# KiCad board poly_kb_molecule_4x5.kicad_pcb (continued)
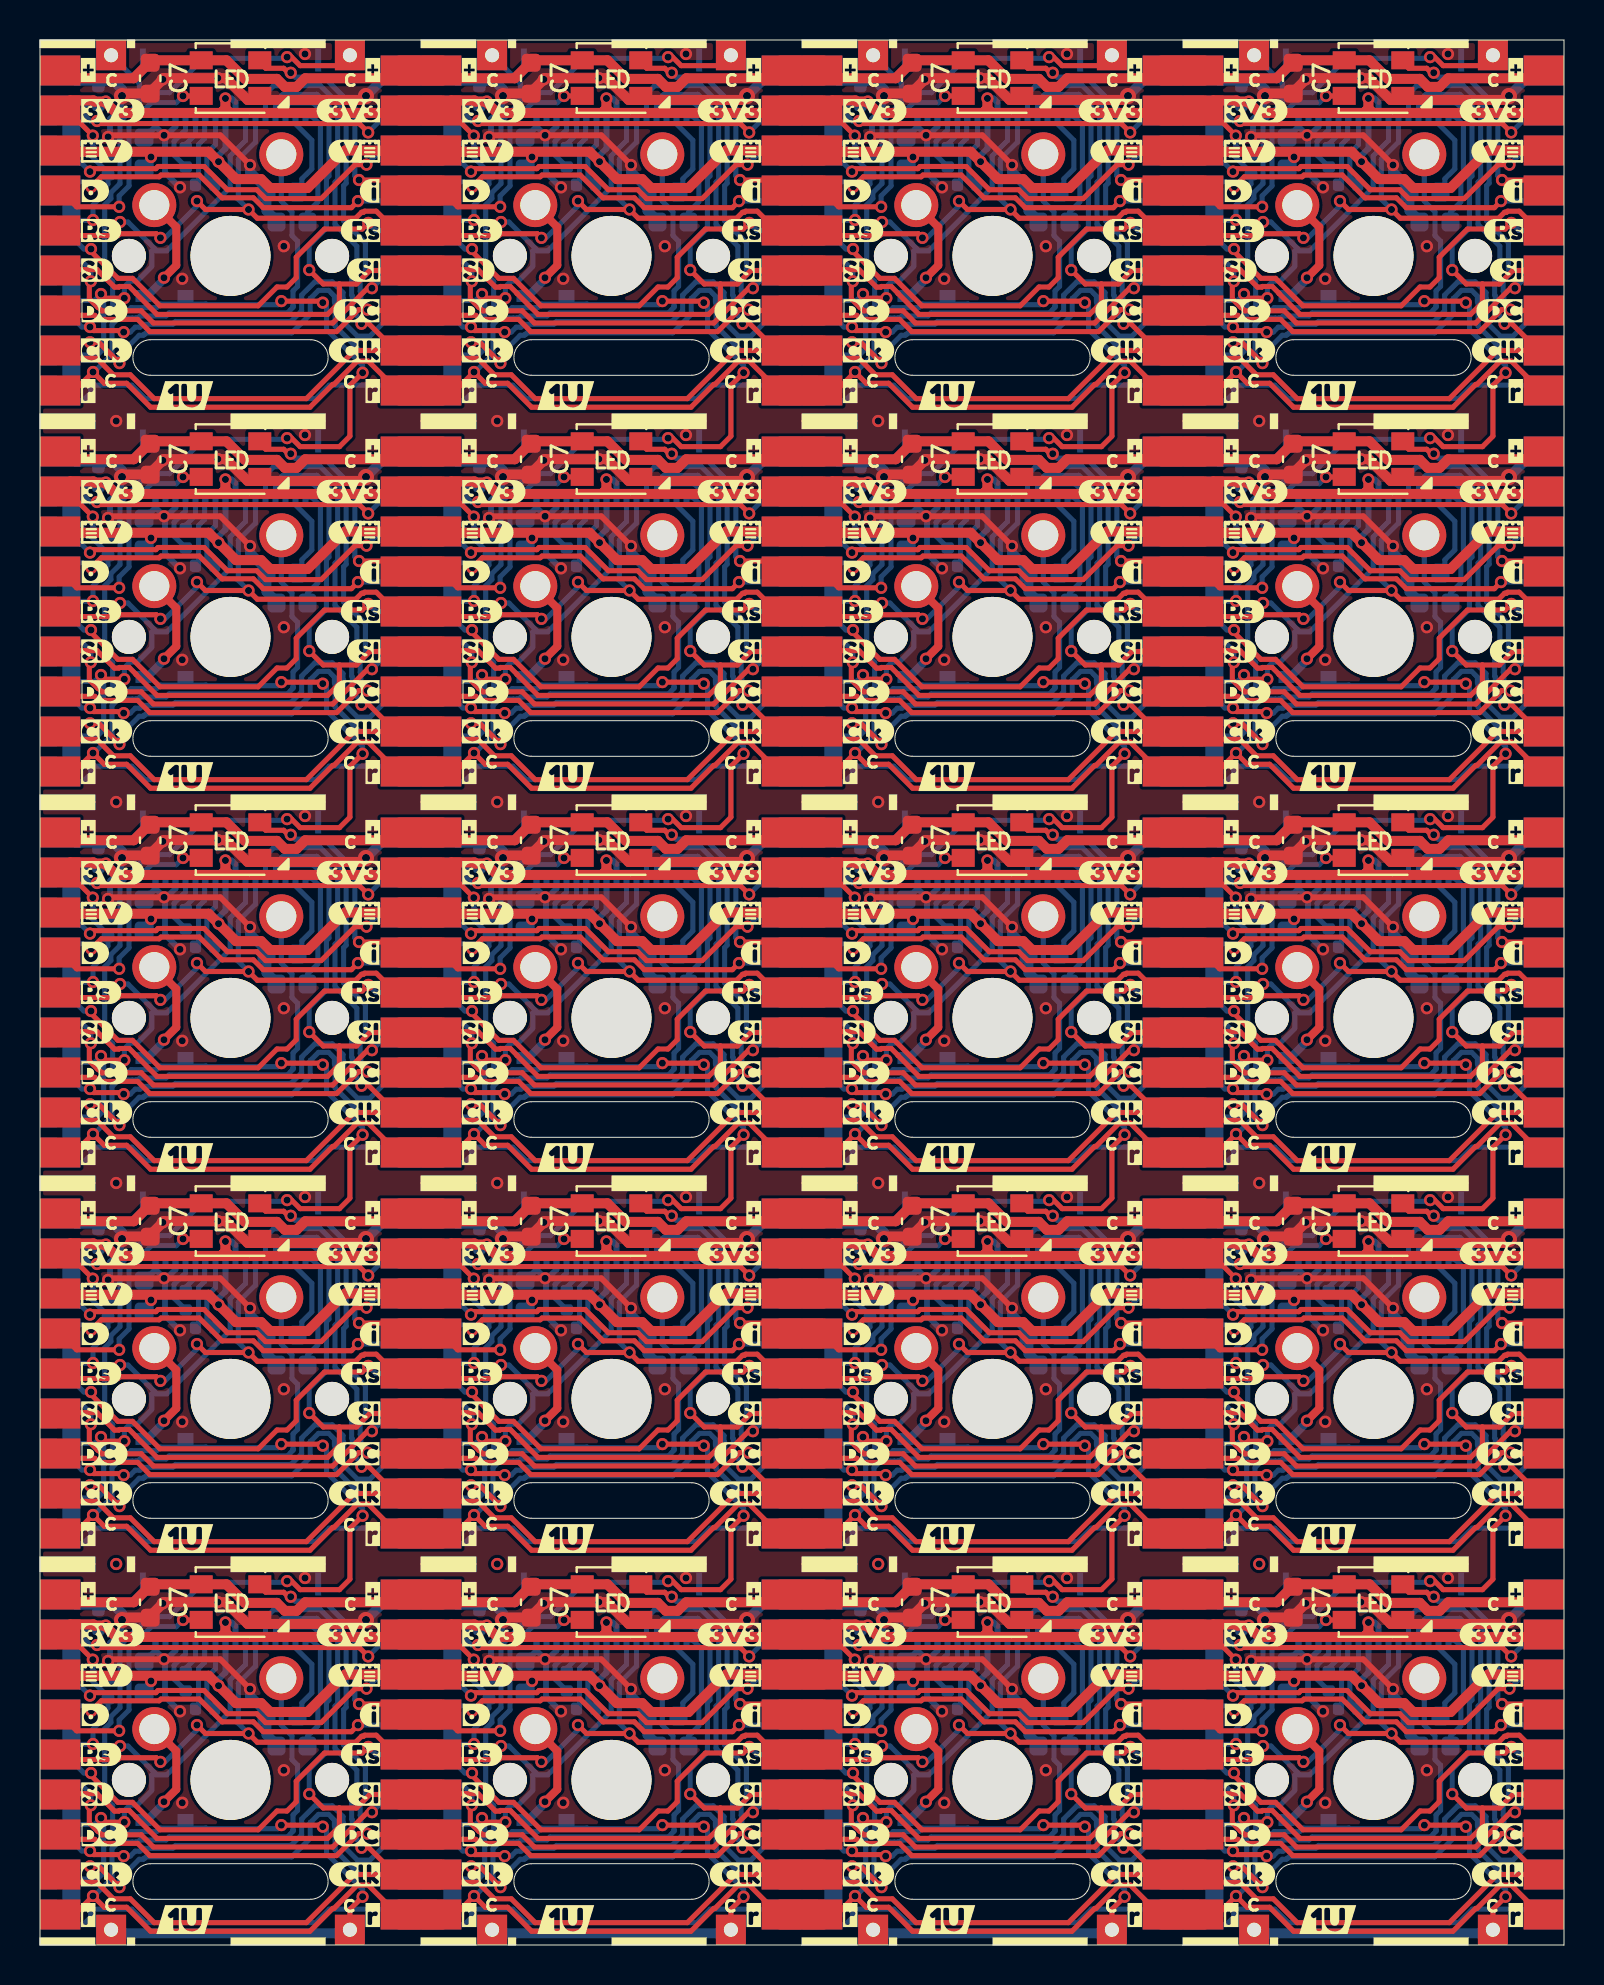
[diagram p0: board, top side]
## Routing (per net, layer and track width the routed paths; a pad name or vN(x,y) marks a point on that pad's centre or on a via; arc(x,y) is an arc through that point) (continued)
/Keyboard/sheet605ED2EB/D-C: length 709.2
  Top w0.254: 39.37,43.62 39.61,43.38 40.84,43.38 41.04,43.18 42.98,43.18 43.59,42.57 52.93,42.57 54.03,43.67 v1(54.46,43.67) 54.51,43.62 55.88,43.62 ; 39.37,24.58 39.61,24.33 40.84,24.33 41.04,24.13 42.98,24.13 43.59,23.52 52.93,23.52 54.03,24.62 v1(54.46,24.62) 54.51,24.58 55.88,24.58 ; 58.42,43.62 58.66,43.38 59.89,43.38 60.09,43.18 62.03,43.18 62.64,42.57 71.98,42.57 73.08,43.67 v1(73.51,43.67) 73.56,43.62 74.93,43.62 ; 20.32,24.58 20.56,24.33 21.79,24.33 21.99,24.13 23.93,24.13 24.54,23.52 33.88,23.52 34.98,24.62 v1(35.41,24.62) 35.46,24.58 36.83,24.58 ; 20.32,81.72 20.56,81.48 21.79,81.48 21.99,81.28 23.93,81.28 24.54,80.67 33.88,80.67 34.98,81.77 v1(35.41,81.77) 35.46,81.72 36.83,81.72 ; 74.93,62.67 73.56,62.67 v1(73.51,62.72) 73.08,62.72 71.98,61.62 62.64,61.62 62.03,62.23 60.09,62.23 59.89,62.43 58.66,62.43 58.42,62.67 ; 55.88,62.67 54.51,62.67 v1(54.46,62.72) 54.03,62.72 52.93,61.62 43.59,61.62 42.98,62.23 41.04,62.23 40.84,62.43 39.61,62.43 39.37,62.67 ; 58.42,81.72 58.66,81.48 59.89,81.48 60.09,81.28 62.03,81.28 62.64,80.67 71.98,80.67 73.08,81.77 v1(73.51,81.77) 73.56,81.72 74.93,81.72 ; 1.27,81.72 1.51,81.48 2.74,81.48 2.94,81.28 4.88,81.28 5.49,80.67 14.83,80.67 15.93,81.77 v1(16.36,81.77) 16.41,81.72 17.78,81.72 ; 17.78,24.58 16.41,24.58 v1(16.36,24.62) 15.93,24.62 14.83,23.52 5.49,23.52 4.88,24.13 2.94,24.13 2.74,24.33 1.51,24.33 1.27,24.58 ; 36.83,62.67 35.46,62.67 v1(35.41,62.72) 34.98,62.72 33.88,61.62 24.54,61.62 23.93,62.23 21.99,62.23 21.79,62.43 20.56,62.43 20.32,62.67 ; 36.83,43.62 35.46,43.62 v1(35.41,43.67) 34.98,43.67 33.88,42.57 24.54,42.57 23.93,43.18 21.99,43.18 21.79,43.38 20.56,43.38 20.32,43.62 ; 1.27,43.62 1.51,43.38 2.74,43.38 2.94,43.18 4.88,43.18 5.49,42.57 14.83,42.57 15.93,43.67 v1(16.36,43.67) 16.41,43.62 17.78,43.62 ; 74.93,5.53 73.56,5.53 v1(73.51,5.57) 73.08,5.57 71.98,4.47 62.64,4.47 62.03,5.08 60.09,5.08 59.89,5.28 58.66,5.28 58.42,5.53 ; 36.83,5.53 35.46,5.53 v1(35.41,5.57) 34.98,5.57 33.88,4.47 24.54,4.47 23.93,5.08 21.99,5.08 21.79,5.28 20.56,5.28 20.32,5.53 ; 55.88,81.72 54.51,81.72 v1(54.46,81.77) 54.03,81.77 52.93,80.67 43.59,80.67 42.98,81.28 41.04,81.28 40.84,81.48 39.61,81.48 39.37,81.72 ; 74.93,24.58 73.56,24.58 v1(73.51,24.62) 73.08,24.62 71.98,23.52 62.64,23.52 62.03,24.13 60.09,24.13 59.89,24.33 58.66,24.33 58.42,24.58 ; 55.88,5.53 54.51,5.53 v1(54.46,5.57) 54.03,5.57 52.93,4.47 43.59,4.47 42.98,5.08 41.04,5.08 40.84,5.28 39.61,5.28 39.37,5.53 ; 1.27,5.53 1.51,5.28 2.74,5.28 2.94,5.08 4.88,5.08 5.49,4.47 14.83,4.47 15.93,5.57 v1(16.36,5.57) 16.41,5.53 17.78,5.53 ; 1.27,62.67 1.51,62.43 2.74,62.43 2.94,62.23 4.88,62.23 5.49,61.62 14.83,61.62 15.93,62.72 v1(16.36,62.72) 16.41,62.67 17.78,62.67
  Top w1.5: J4#17.7 J3#9.7 ; J4#16.7 J3#7.7 ; J4#4.7 J3#14.7 ; J4#8.7 J3#18.7 ; J4#20.7 J3#19.7 ; J4#10.7 J3#5.7 ; J4#15.7 J3#17.7 ; J4#19.7 J3#20.7 ; J4#2.7 J3#13.7 ; J4#9.7 J3#3.7 ; J4#13.7 J3#12.7 ; J4.7 J3#11.7 ; J4#18.7 J3#15.7 ; J4#12.7 J3#6.7 ; J4#5.7 J3#2.7
  Bottom w0.254: v1(16.36,81.77) 16.04,82.09 16.04,82.64 16.01,82.67 16.01,83.25 16.27,83.51 16.27,85.12 15.18,86.2 15.18,87.96 15.31,88.09 15.31,91.67 15.18,91.8 15.18,91.8 14.02,92.96 11.68,92.96 11.27,92.56 J1.12 ; J1#12.12 30.33,54.45 30.73,54.86 33.07,54.86 34.23,53.7 34.23,53.7 34.36,53.57 34.36,49.99 34.23,49.86 34.23,48.1 35.32,47.02 35.32,45.41 35.06,45.15 35.06,44.57 35.09,44.54 35.09,43.99 v1(35.41,43.67) ; v1(54.46,81.77) 54.14,82.09 54.14,82.64 54.11,82.67 54.11,83.25 54.37,83.51 54.37,85.12 53.28,86.2 53.28,87.96 53.41,88.09 53.41,91.67 53.28,91.8 53.28,91.8 52.12,92.96 49.78,92.96 49.38,92.56 J1#7.12 ; J1#2.12 30.33,35.41 30.73,35.81 33.07,35.81 34.23,34.65 34.23,34.65 34.36,34.52 34.36,30.94 34.23,30.81 34.23,29.05 35.32,27.97 35.32,26.36 35.06,26.1 35.06,25.52 35.09,25.49 35.09,24.94 v1(35.41,24.62) ; v1(54.46,62.72) 54.14,63.04 54.14,63.59 54.11,63.62 54.11,64.2 54.37,64.46 54.37,66.07 53.28,67.15 53.28,68.91 53.41,69.04 53.41,72.62 53.28,72.75 53.28,72.75 52.12,73.91 49.78,73.91 49.38,73.5 J1#4.12 ; J1#20.12 11.27,73.5 11.68,73.91 14.02,73.91 15.18,72.75 15.18,72.75 15.31,72.62 15.31,69.04 15.18,68.91 15.18,67.15 16.27,66.07 16.27,64.46 16.01,64.2 16.01,63.62 16.04,63.59 16.04,63.04 v1(16.36,62.72) ; v1(35.41,62.72) 35.09,63.04 35.09,63.59 35.06,63.62 35.06,64.2 35.32,64.46 35.32,66.07 34.23,67.15 34.23,68.91 34.36,69.04 34.36,72.62 34.23,72.75 34.23,72.75 33.07,73.91 30.73,73.91 30.33,73.5 J1#16.12 ; v1(73.51,24.62) 73.19,24.94 73.19,25.49 73.16,25.52 73.16,26.1 73.42,26.36 73.42,27.97 72.33,29.05 72.33,30.81 72.46,30.94 72.46,34.52 72.33,34.65 72.33,34.65 71.17,35.81 68.83,35.81 68.42,35.41 J1#3.12 ; J1#9.12 30.33,16.35 30.73,16.76 33.07,16.76 34.23,15.6 34.23,15.6 34.36,15.47 34.36,11.89 34.23,11.76 34.23,10 35.32,8.92 35.32,7.31 35.06,7.05 35.06,6.47 35.09,6.44 35.09,5.89 v1(35.41,5.57) ; J1#17.12 68.42,73.5 68.83,73.91 71.17,73.91 72.33,72.75 72.33,72.75 72.46,72.62 72.46,69.04 72.33,68.91 72.33,67.15 73.42,66.07 73.42,64.46 73.16,64.2 73.16,63.62 73.19,63.59 73.19,63.04 v1(73.51,62.72) ; v1(73.51,81.77) 73.19,82.09 73.19,82.64 73.16,82.67 73.16,83.25 73.42,83.51 73.42,85.12 72.33,86.2 72.33,87.96 72.46,88.09 72.46,91.67 72.33,91.8 72.33,91.8 71.17,92.96 68.83,92.96 68.42,92.56 J1#10.12 ; J1#6.12 11.27,54.45 11.68,54.86 14.02,54.86 15.18,53.7 15.18,53.7 15.31,53.57 15.31,49.99 15.18,49.86 15.18,48.1 16.27,47.02 16.27,45.41 16.01,45.15 16.01,44.57 16.04,44.54 16.04,43.99 v1(16.36,43.67) ; J1#14.12 49.38,16.35 49.78,16.76 52.12,16.76 53.28,15.6 53.28,15.6 53.41,15.47 53.41,11.89 53.28,11.76 53.28,10 54.37,8.92 54.37,7.31 54.11,7.05 54.11,6.47 54.14,6.44 54.14,5.89 v1(54.46,5.57) ; J1#11.12 11.27,16.35 11.68,16.76 14.02,16.76 15.18,15.6 15.18,15.6 15.31,15.47 15.31,11.89 15.18,11.76 15.18,10 16.27,8.92 16.27,7.31 16.01,7.05 16.01,6.47 16.04,6.44 16.04,5.89 v1(16.36,5.57) ; J1#18.12 49.38,35.41 49.78,35.81 52.12,35.81 53.28,34.65 53.28,34.65 53.41,34.52 53.41,30.94 53.28,30.81 53.28,29.05 54.37,27.97 54.37,26.36 54.11,26.1 54.11,25.52 54.14,25.49 54.14,24.94 v1(54.46,24.62) ; v1(73.51,43.67) 73.19,43.99 73.19,44.54 73.16,44.57 73.16,45.15 73.42,45.41 73.42,47.02 72.33,48.1 72.33,49.86 72.46,49.99 72.46,53.57 72.33,53.7 72.33,53.7 71.17,54.86 68.83,54.86 68.42,54.45 J1#19.12 ; v1(73.51,5.57) 73.19,5.89 73.19,6.44 73.16,6.47 73.16,7.05 73.42,7.31 73.42,8.92 72.33,10 72.33,11.76 72.46,11.89 72.46,15.47 72.33,15.6 72.33,15.6 71.17,16.76 68.83,16.76 68.42,16.35 J1#15.12 ; v1(54.46,43.67) 54.14,43.99 54.14,44.54 54.11,44.57 54.11,45.15 54.37,45.41 54.37,47.02 53.28,48.1 53.28,49.86 53.41,49.99 53.41,53.57 53.28,53.7 53.28,53.7 52.12,54.86 49.78,54.86 49.38,54.45 J1#8.12 ; v1(16.36,24.62) 16.04,24.94 16.04,25.49 16.01,25.52 16.01,26.1 16.27,26.36 16.27,27.97 15.18,29.05 15.18,30.81 15.31,30.94 15.31,34.52 15.18,34.65 15.18,34.65 14.02,35.81 11.68,35.81 11.27,35.41 J1#5.12 ; v1(35.41,81.77) 35.09,82.09 35.09,82.64 35.06,82.67 35.06,83.25 35.32,83.51 35.32,85.12 34.23,86.2 34.23,87.96 34.36,88.09 34.36,91.67 34.23,91.8 34.23,91.8 33.07,92.96 30.73,92.96 30.33,92.56 J1#13.12
/Keyboard/sheet605ED2EB/KeyCol: length 884.8
  Top w0.254: v1(31.4,37.24) 31.63,37.24 32.06,36.82 34.02,36.82 34.54,37.34 34.54,39.88 v1(35.18,40.51) ; v1(71.29,24.97) 71.21,25.04 v1(69.22,25.04) ; v1(50.17,5.99) 52.16,5.99 v1(52.24,5.92) ; J9.1 72.64,1.78 v1(73.28,2.41) ; v1(73.28,40.51) 72.64,39.88 72.64,37.34 72.12,36.82 70.16,36.82 69.73,37.24 v1(69.5,37.24) ; v1(31.4,56.29) 31.63,56.29 32.06,55.87 34.02,55.87 34.54,56.39 34.54,58.93 v1(35.18,59.56) ; v1(16.13,40.51) 15.49,39.88 15.49,37.34 14.97,36.82 13.01,36.82 12.58,37.24 v1(12.35,37.24) ; v1(54.23,2.41) 53.59,1.78 J9#3.1 ; v1(52.24,63.07) 52.16,63.14 v1(50.17,63.14) ; v1(54.23,40.51) 53.59,39.88 53.59,37.34 53.07,36.82 51.11,36.82 50.68,37.24 v1(50.45,37.24) ; v1(50.45,94.39) 50.68,94.39 51.11,93.97 53.07,93.97 J2#4.1 ; v1(35.18,78.61) 34.54,77.98 34.54,75.44 34.02,74.92 32.06,74.92 31.63,75.34 v1(31.4,75.34) ; v1(31.12,44.09) 33.11,44.09 v1(33.19,44.02) ; v1(16.13,78.61) 15.49,77.98 15.49,75.44 14.97,74.92 13.01,74.92 12.58,75.34 v1(12.35,75.34) ; v1(12.35,18.19) 12.58,18.19 13.01,17.77 14.97,17.77 15.49,18.29 15.49,20.83 v1(16.13,21.46) ; v1(52.24,24.97) 52.16,25.04 v1(50.17,25.04) ; v1(71.29,44.02) 71.21,44.09 v1(69.22,44.09) ; v1(50.17,82.19) 52.16,82.19 v1(52.24,82.12) ; v1(54.23,59.56) 53.59,58.93 53.59,56.39 53.07,55.87 51.11,55.87 50.68,56.29 v1(50.45,56.29) ; v1(31.12,25.04) 33.11,25.04 v1(33.19,24.97) ; v1(54.23,78.61) 53.59,77.98 53.59,75.44 53.07,74.92 51.11,74.92 50.68,75.34 v1(50.45,75.34) ; v1(33.19,5.92) 33.11,5.99 v1(31.12,5.99) ; v1(31.4,18.19) 31.63,18.19 32.06,17.77 34.02,17.77 34.54,18.29 34.54,20.83 v1(35.18,21.46) ; J2.1 14.97,93.97 13.01,93.97 12.58,94.39 v1(12.35,94.39) ; v1(31.12,63.14) 33.11,63.14 v1(33.19,63.07) ; v1(52.24,44.02) 52.16,44.09 v1(50.17,44.09) ; v1(73.28,21.46) 72.64,20.83 72.64,18.29 72.12,17.77 70.16,17.77 69.73,18.19 v1(69.5,18.19) ; J9#4.1 34.54,1.78 v1(35.18,2.41) ; v1(69.22,82.19) 71.21,82.19 v1(71.29,82.12) ; v1(12.07,5.99) 14.06,5.99 v1(14.14,5.92) ; v1(12.35,56.29) 12.58,56.29 13.01,55.87 14.97,55.87 15.49,56.39 15.49,58.93 v1(16.13,59.56) ; v1(69.5,75.34) 69.73,75.34 70.16,74.92 72.12,74.92 72.64,75.44 72.64,77.98 v1(73.28,78.61) ; J9#2.1 15.49,1.78 v1(16.13,2.41) ; v1(54.23,21.46) 53.59,20.83 53.59,18.29 53.07,17.77 51.11,17.77 50.68,18.19 v1(50.45,18.19) ; v1(71.29,63.07) 71.21,63.14 v1(69.22,63.14) ; v1(71.29,5.92) 71.21,5.99 v1(69.22,5.99) ; v1(12.07,25.04) 14.06,25.04 v1(14.14,24.97) ; v1(12.07,63.14) 14.06,63.14 v1(14.14,63.07) ; v1(12.07,82.19) 14.06,82.19 v1(14.14,82.12) ; v1(69.5,94.39) 69.73,94.39 70.16,93.97 72.12,93.97 J2#3.1 ; v1(31.4,94.39) 31.63,94.39 32.06,93.97 34.02,93.97 J2#2.1 ; v1(69.5,56.29) 69.73,56.29 70.16,55.87 72.12,55.87 72.64,56.39 72.64,58.93 v1(73.28,59.56) ; v1(33.19,82.12) 33.11,82.19 v1(31.12,82.19) ; v1(14.14,44.02) 14.06,44.09 v1(12.07,44.09)
  Bottom w0.25: 65.49,43.91 65.45,43.95 63.16,43.95 63.12,43.91 ; 5.97,5.81 6.01,5.85 8.3,5.85 8.34,5.81 ; 63.12,62.96 63.16,63 65.45,63 65.49,62.96 ; 65.49,5.81 65.45,5.85 63.16,5.85 63.12,5.81 ; 27.39,43.91 27.35,43.95 25.06,43.95 25.02,43.91 ; 8.34,43.91 8.3,43.95 6.01,43.95 5.97,43.91 ; 25.02,24.86 25.06,24.9 27.35,24.9 27.39,24.86 ; 27.39,62.96 27.35,63 25.06,63 25.02,62.96 ; 25.02,82.01 25.06,82.05 27.35,82.05 27.39,82.01 ; 46.44,43.91 46.4,43.95 44.11,43.95 44.07,43.91 ; 5.97,82.01 6.01,82.05 8.3,82.05 8.34,82.01 ; 25.02,5.81 25.06,5.85 27.35,5.85 27.39,5.81 ; 46.44,24.86 46.4,24.9 44.11,24.9 44.07,24.86 ; 65.49,24.86 65.45,24.9 63.16,24.9 63.12,24.86 ; 5.97,24.86 6.01,24.9 8.3,24.9 8.34,24.86 ; 44.07,5.81 44.11,5.85 46.4,5.85 46.44,5.81 ; 63.12,82.01 63.16,82.05 65.45,82.05 65.49,82.01 ; 8.34,62.96 8.3,63 6.01,63 5.97,62.96 ; 46.44,82.01 46.4,82.05 44.11,82.05 44.07,82.01 ; 44.07,62.96 44.11,63 46.4,63 46.44,62.96
  Bottom w0.254: v1(14.14,24.97) 14.33,24.78 14.33,23.62 16.13,21.82 v1(16.13,21.46) ; 25.02,82.01 24.88,81.87 23.61,81.87 23.49,81.75 23.27,81.75 23.27,81.75 22.81,81.75 22.68,81.88 22.68,83.18 22.28,83.58 22.28,87.01 22.59,87.32 22.59,87.62 23.05,88.07 23.05,91.17 24.02,92.13 24.02,92.62 ; 27.39,62.96 30.94,62.96 v1(31.12,63.14) ; 62.12,92.62 62.12,93.08 61.93,93.27 61.92,93.27 J8#4.1 ; 62.12,92.62 63.62,92.62 65.34,94.34 69.44,94.34 v1(69.5,94.39) ; 62.12,92.62 62.12,92.13 61.15,91.17 61.15,88.07 60.69,87.62 60.69,87.32 60.38,87.01 60.38,83.58 60.78,83.18 60.78,81.88 60.91,81.75 61.37,81.75 61.37,81.75 61.59,81.75 61.71,81.87 62.98,81.87 63.12,82.01 ; v1(14.14,63.07) 14.33,62.88 14.33,61.72 16.13,59.92 v1(16.13,59.56) ; 46.44,62.96 49.99,62.96 v1(50.17,63.14) ; 65.49,24.86 69.04,24.86 v1(69.22,25.04) ; J8#3.1 23.82,93.27 23.83,93.27 24.02,93.08 24.02,92.62 ; v1(73.28,59.56) 73.28,59.92 71.48,61.72 71.48,62.88 v1(71.29,63.07) ; v1(12.35,56.29) 12.29,56.24 8.19,56.24 6.47,54.52 5.43,54.52 4.97,54.05 4.97,54.03 4,53.07 4,49.97 3.54,49.52 3.54,49.22 3.23,48.91 3.23,45.48 3.63,45.08 3.63,43.78 3.76,43.65 4.22,43.65 4.22,43.65 4.44,43.65 4.56,43.77 5.83,43.77 5.97,43.91 ; v1(31.12,5.99) 30.94,5.81 27.39,5.81 ; v1(31.12,82.19) 30.94,82.01 27.39,82.01 ; v1(35.18,2.41) 35.18,2.77 33.38,4.57 33.38,5.73 v1(33.19,5.92) ; v1(52.24,63.07) 52.43,62.88 52.43,61.72 54.23,59.92 v1(54.23,59.56) ; v1(31.4,94.39) 31.34,94.34 27.24,94.34 25.52,92.62 24.02,92.62 ; 44.07,43.91 43.93,43.77 42.66,43.77 42.54,43.65 42.32,43.65 42.32,43.65 41.86,43.65 41.73,43.78 41.73,45.08 41.33,45.48 41.33,48.91 41.64,49.22 41.64,49.52 42.1,49.97 42.1,53.07 43.07,54.03 43.07,54.05 43.53,54.52 44.57,54.52 46.29,56.24 50.39,56.24 v1(50.45,56.29) ; v1(31.4,56.29) 31.34,56.24 27.24,56.24 25.52,54.52 24.5,54.52 23.05,53.07 23.05,49.97 22.59,49.52 22.59,49.22 22.28,48.91 22.28,45.48 22.68,45.08 22.68,43.78 22.81,43.65 23.27,43.65 23.27,43.65 23.49,43.65 23.61,43.77 24.88,43.77 25.02,43.91 ; 5.97,5.81 5.83,5.67 4.56,5.67 4.44,5.55 4.22,5.55 4.22,5.55 3.76,5.55 3.63,5.68 3.63,6.98 3.23,7.38 3.23,10.81 3.54,11.12 3.54,11.42 4,11.87 4,14.97 4.97,15.93 4.98,15.93 5.47,16.42 6.47,16.42 8.19,18.14 12.29,18.14 v1(12.35,18.19) ; v1(50.17,82.19) 49.99,82.01 46.44,82.01 ; v1(50.45,37.24) 50.39,37.19 46.29,37.19 44.57,35.47 43.57,35.47 43.09,34.98 43.07,34.98 42.1,34.02 42.1,30.92 41.64,30.47 41.64,30.17 41.33,29.86 41.33,26.43 41.73,26.03 41.73,24.73 41.86,24.6 42.32,24.6 42.32,24.6 42.54,24.6 42.66,24.72 43.93,24.72 44.07,24.86 ; v1(12.07,44.09) 11.89,43.91 8.34,43.91 ; 44.07,62.96 43.93,62.82 42.66,62.82 42.54,62.7 42.32,62.7 42.32,62.7 41.86,62.7 41.73,62.83 41.73,64.13 41.33,64.53 41.33,67.96 41.64,68.27 41.64,68.57 42.1,69.02 42.1,72.12 43.07,73.08 43.07,73.1 43.53,73.57 44.57,73.57 46.29,75.29 50.39,75.29 v1(50.45,75.34) ; v1(31.12,25.04) 30.94,24.86 27.39,24.86 ; v1(12.07,63.14) 11.89,62.96 8.34,62.96 ; v1(54.23,21.46) 54.23,21.82 52.43,23.62 52.43,24.78 v1(52.24,24.97) ; v1(54.23,40.51) 54.23,40.87 52.43,42.67 52.43,43.83 v1(52.24,44.02) ; v1(71.29,44.02) 71.48,43.83 71.48,42.67 73.28,40.87 v1(73.28,40.51) ; v1(33.19,24.97) 33.38,24.78 33.38,23.62 35.18,21.82 v1(35.18,21.46) ; v1(16.13,78.61) 16.13,78.97 14.33,80.77 14.33,81.93 v1(14.14,82.12) ; 4.97,92.62 4.97,92.13 4,91.17 4,88.07 3.54,87.62 3.54,87.32 3.23,87.01 3.23,83.58 3.63,83.18 3.63,81.88 3.76,81.75 4.22,81.75 4.22,81.75 4.44,81.75 4.56,81.87 5.83,81.87 5.97,82.01 ; 4.97,92.62 6.47,92.62 8.19,94.34 12.29,94.34 v1(12.35,94.39) ; 4.97,92.62 4.97,93.08 4.78,93.27 4.77,93.27 J8.1 ; 5.97,62.96 5.83,62.82 4.56,62.82 4.44,62.7 4.22,62.7 4.22,62.7 3.76,62.7 3.63,62.83 3.63,64.13 3.23,64.53 3.23,67.96 3.54,68.27 3.54,68.57 4,69.02 4,72.12 4.97,73.08 4.97,73.11 5.42,73.57 6.47,73.57 8.19,75.29 12.29,75.29 v1(12.35,75.34) ; v1(31.4,37.24) 31.34,37.19 27.24,37.19 25.52,35.47 24.48,35.47 24.02,35 24.02,34.98 23.05,34.02 23.05,30.92 22.59,30.47 22.59,30.17 22.28,29.86 22.28,26.43 22.68,26.03 22.68,24.73 22.81,24.6 23.27,24.6 23.27,24.6 23.49,24.6 23.61,24.72 24.88,24.72 25.02,24.86 ; 63.12,24.86 62.98,24.72 61.71,24.72 61.59,24.6 61.37,24.6 61.37,24.6 60.91,24.6 60.78,24.73 60.78,26.03 60.38,26.43 60.38,29.86 60.69,30.17 60.69,30.47 61.15,30.92 61.15,34.02 62.12,34.98 62.13,34.98 62.13,35.03 62.57,35.47 63.62,35.47 65.34,37.19 69.44,37.19 v1(69.5,37.24) ; 44.07,82.01 43.93,81.87 42.66,81.87 42.54,81.75 42.32,81.75 42.32,81.75 41.86,81.75 41.73,81.88 41.73,83.18 41.33,83.58 41.33,87.01 41.64,87.32 41.64,87.62 42.1,88.07 42.1,91.17 43.07,92.13 43.07,92.62 ; 63.12,5.81 62.98,5.67 61.71,5.67 61.59,5.55 61.37,5.55 61.37,5.55 60.91,5.55 60.78,5.68 60.78,6.98 60.38,7.38 60.38,10.81 60.69,11.12 60.69,11.42 61.15,11.87 61.15,14.97 62.12,15.93 62.13,15.93 62.13,15.98 62.57,16.42 63.62,16.42 65.34,18.14 69.44,18.14 v1(69.5,18.19) ; v1(12.07,25.04) 11.89,24.86 8.34,24.86 ; v1(14.14,44.02) 14.33,43.83 14.33,42.67 16.13,40.87 v1(16.13,40.51) ; v1(71.29,82.12) 71.48,81.93 71.48,80.77 73.28,78.97 v1(73.28,78.61) ; v1(52.24,5.92) 52.43,5.73 52.43,4.57 54.23,2.77 v1(54.23,2.41) ; v1(69.5,56.29) 69.44,56.24 65.34,56.24 63.62,54.52 62.57,54.52 62.12,54.06 62.12,54.03 61.15,53.07 61.15,49.97 60.69,49.52 60.69,49.22 60.38,48.91 60.38,45.48 60.78,45.08 60.78,43.78 60.91,43.65 61.37,43.65 61.37,43.65 61.59,43.65 61.71,43.77 62.98,43.77 63.12,43.91 ; v1(54.23,78.61) 54.23,78.97 52.43,80.77 52.43,81.93 v1(52.24,82.12) ; 5.97,24.86 5.83,24.72 4.56,24.72 4.44,24.6 4.22,24.6 4.22,24.6 3.76,24.6 3.63,24.73 3.63,26.03 3.23,26.43 3.23,29.86 3.54,30.17 3.54,30.47 4,30.92 4,34.02 4.97,34.98 4.97,35.01 5.42,35.47 6.47,35.47 8.19,37.19 12.29,37.19 v1(12.35,37.24) ; v1(69.22,63.14) 69.04,62.96 65.49,62.96 ; v1(12.07,82.19) 11.89,82.01 8.34,82.01 ; J8#2.1 42.87,93.27 42.88,93.27 43.07,93.08 43.07,92.62 ; 8.34,5.81 11.89,5.81 v1(12.07,5.99) ; 25.02,62.96 24.88,62.82 23.61,62.82 23.49,62.7 23.27,62.7 23.27,62.7 22.81,62.7 22.68,62.83 22.68,64.13 22.28,64.53 22.28,67.96 22.59,68.27 22.59,68.57 23.05,69.02 23.05,72.12 24.5,73.57 25.52,73.57 27.24,75.29 31.34,75.29 v1(31.4,75.34) ; 43.07,92.62 44.57,92.62 46.29,94.34 50.39,94.34 v1(50.45,94.39) ; v1(33.19,44.02) 33.38,43.83 33.38,42.67 35.18,40.87 v1(35.18,40.51) ; v1(50.45,18.19) 50.39,18.14 46.29,18.14 44.57,16.42 43.53,16.42 43.07,15.95 43.07,15.93 42.1,14.97 42.1,11.87 41.64,11.42 41.64,11.12 41.33,10.81 41.33,7.38 41.73,6.98 41.73,5.68 41.86,5.55 42.32,5.55 42.32,5.55 42.54,5.55 42.66,5.67 43.93,5.67 44.07,5.81 ; v1(35.18,78.61) 35.18,78.97 33.38,80.77 33.38,81.93 v1(33.19,82.12) ; v1(50.17,25.04) 49.99,24.86 46.44,24.86 ; v1(69.5,75.34) 69.44,75.29 65.34,75.29 63.62,73.57 62.58,73.57 62.12,73.1 62.12,73.08 61.15,72.12 61.15,69.02 60.69,68.57 60.69,68.27 60.38,67.96 60.38,64.53 60.78,64.13 60.78,62.83 60.91,62.7 61.37,62.7 61.37,62.7 61.59,62.7 61.71,62.82 62.98,62.82 63.12,62.96 ; v1(69.22,82.19) 69.04,82.01 65.49,82.01 ; 65.49,5.81 69.04,5.81 v1(69.22,5.99) ; 46.44,5.81 49.99,5.81 v1(50.17,5.99) ; v1(33.19,63.07) 33.38,62.88 33.38,61.72 35.18,59.92 v1(35.18,59.56) ; 65.49,43.91 69.04,43.91 v1(69.22,44.09) ; 27.39,43.91 30.94,43.91 v1(31.12,44.09) ; v1(31.4,18.19) 31.34,18.14 27.24,18.14 25.52,16.42 24.5,16.42 23.05,14.97 23.05,11.87 22.59,11.42 22.59,11.12 22.28,10.81 22.28,7.38 22.68,6.98 22.68,5.68 22.81,5.55 23.27,5.55 23.27,5.55 23.49,5.55 23.61,5.67 24.88,5.67 25.02,5.81 ; v1(73.28,21.46) 73.28,21.82 71.48,23.62 71.48,24.78 v1(71.29,24.97) ; v1(50.17,44.09) 49.99,43.91 46.44,43.91 ; v1(71.29,5.92) 71.48,5.73 71.48,4.57 73.28,2.77 v1(73.28,2.41) ; v1(14.14,5.92) 14.33,5.73 14.33,4.57 16.13,2.77 v1(16.13,2.41)
  Bottom w0.5: J9#3.1 53.42,0.59 41.83,0.59 J7.1 ; J7#3.1 3.73,0.59 15.32,0.59 J9#2.1 ; J9.1 72.47,0.59 60.88,0.59 J7#4.1 ; J7#2.1 22.78,0.59 34.37,0.59 J9#4.1
/Keyboard/sheet605ED2EB/KeyRow: length 825.1
  Top w0.254: J4#8.9 36.93,58.67 35.46,60.15 34.92,60.15 33.75,58.98 33.69,58.98 32.55,57.84 24.58,57.84 23.38,59.04 22.26,59.04 v1(21.7,59.6) 20.77,58.67 20.32,58.67 ; J4#5.9 17.88,39.62 16.41,41.1 15.87,41.1 14.7,39.93 14.64,39.93 13.5,38.79 5.53,38.79 4.33,39.99 3.21,39.99 v1(2.65,40.55) 1.73,39.62 1.27,39.62 ; 20.32,1.53 20.77,1.53 v1(21.7,2.45) 22.26,1.89 23.38,1.89 24.58,0.69 32.55,0.69 33.69,1.83 33.75,1.83 34.92,3 35.46,3 36.93,1.53 J4#9.9 ; J4#20.9 36.93,77.72 35.46,79.2 34.92,79.2 33.75,78.03 33.69,78.03 32.55,76.89 24.58,76.89 23.38,78.09 22.26,78.09 v1(21.7,78.65) 20.77,77.72 20.32,77.72 ; 58.42,39.62 58.88,39.62 v1(59.8,40.55) 60.36,39.99 61.48,39.99 62.68,38.79 70.65,38.79 71.79,39.93 71.85,39.93 73.02,41.1 73.56,41.1 75.03,39.62 J4#11.9 ; 39.37,58.67 39.83,58.67 v1(40.75,59.6) 41.31,59.04 42.43,59.04 43.63,57.84 51.6,57.84 52.74,58.98 52.8,58.98 53.97,60.15 54.51,60.15 55.98,58.67 J4#10.9 ; J4#3.9 75.03,58.67 73.56,60.15 73.02,60.15 71.85,58.98 71.79,58.98 70.65,57.84 62.68,57.84 61.48,59.04 60.36,59.04 v1(59.8,59.6) 58.88,58.67 58.42,58.67 ; J4#15.9 36.93,20.57 35.46,22.05 34.92,22.05 33.75,20.88 33.69,20.88 32.55,19.74 24.58,19.74 23.38,20.94 22.26,20.94 v1(21.7,21.5) 20.77,20.57 20.32,20.57 ; J4#13.9 55.98,77.72 54.51,79.2 53.97,79.2 52.8,78.03 52.74,78.03 51.6,76.89 43.63,76.89 42.43,78.09 41.31,78.09 v1(40.75,78.65) 39.83,77.72 39.37,77.72 ; 20.32,39.62 20.77,39.62 v1(21.7,40.55) 22.26,39.99 23.38,39.99 24.58,38.79 32.55,38.79 33.69,39.93 33.75,39.93 34.92,41.1 35.46,41.1 36.93,39.62 J4#12.9 ; 39.37,20.57 39.83,20.57 v1(40.75,21.5) 41.31,20.94 42.43,20.94 43.63,19.74 51.6,19.74 52.74,20.88 52.8,20.88 53.97,22.05 54.51,22.05 55.98,20.57 J4#19.9 ; 58.42,20.57 58.88,20.57 v1(59.8,21.5) 60.36,20.94 61.48,20.94 62.68,19.74 70.65,19.74 71.79,20.88 71.85,20.88 73.02,22.05 73.56,22.05 75.03,20.57 J4#14.9 ; J4#7.9 75.03,77.72 73.56,79.2 73.02,79.2 71.85,78.03 71.79,78.03 70.65,76.89 62.68,76.89 61.48,78.09 60.36,78.09 v1(59.8,78.65) 58.88,77.72 58.42,77.72 ; J4#6.9 75.03,1.53 73.56,3 73.02,3 71.85,1.83 71.79,1.83 70.65,0.69 62.68,0.69 61.48,1.89 60.36,1.89 v1(59.8,2.45) 58.88,1.53 58.42,1.53 ; 1.27,1.53 1.73,1.53 v1(2.65,2.45) 3.21,1.89 4.33,1.89 5.53,0.69 13.5,0.69 14.64,1.83 14.7,1.83 15.87,3 16.41,3 17.88,1.53 J4#4.9 ; J4.9 17.88,77.72 16.41,79.2 15.87,79.2 14.7,78.03 14.64,78.03 13.5,76.89 5.53,76.89 4.33,78.09 3.21,78.09 v1(2.65,78.65) 1.73,77.72 1.27,77.72 ; 39.37,39.62 39.83,39.62 v1(40.75,40.55) 41.31,39.99 42.43,39.99 43.63,38.79 51.6,38.79 52.74,39.93 52.8,39.93 53.97,41.1 54.51,41.1 55.98,39.62 J4#2.9 ; J4#17.9 17.88,58.67 16.41,60.15 15.87,60.15 14.7,58.98 14.64,58.98 13.5,57.84 5.53,57.84 4.33,59.04 3.21,59.04 v1(2.65,59.6) 1.73,58.67 1.27,58.67 ; J4#18.9 55.98,1.53 54.51,3 53.97,3 52.8,1.83 52.74,1.83 51.6,0.69 43.63,0.69 42.43,1.89 41.31,1.89 v1(40.75,2.45) 39.83,1.53 39.37,1.53 ; J4#16.9 17.88,20.57 16.41,22.05 15.87,22.05 14.7,20.88 14.64,20.88 13.5,19.74 5.53,19.74 4.33,20.94 3.21,20.94 v1(2.65,21.5) 1.73,20.57 1.27,20.57
  Top w1.5: J4#17.9 J3#9.9 ; J4#4.9 J3#14.9 ; J4#2.9 J3#13.9 ; J4#8.9 J3#18.9 ; J4#5.9 J3#2.9 ; J4#18.9 J3#15.9 ; J4#15.9 J3#17.9 ; J4#9.9 J3#3.9 ; J4#20.9 J3#19.9 ; J4#13.9 J3#12.9 ; J4#10.9 J3#5.9 ; J4#12.9 J3#6.9 ; J4#16.9 J3#7.9 ; J4#19.9 J3#20.9 ; J4.9 J3#11.9
  Bottom w0.254: v1(59.8,21.5) 59.85,21.5 60.75,22.4 60.75,22.4 60.75,23.87 61.07,24.19 61.54,24.19 61.54,24.19 61.76,24.19 61.76,24.2 61.95,24.2 ; 4.8,24.2 4.9,24.2 5,24.3 6.3,24.3 6.46,24.46 12.37,24.46 12.65,24.74 12.65,24.78 12.65,24.78 12.65,24.8 12.65,24.8 12.65,25.56 12.88,25.78 12.88,28.04 12.6,28.32 12.6,29.51 12.06,30.04 SW1#6.1 ; 4.8,24.2 4.8,24.2 ; 4.8,24.2 4.61,24.2 4.61,24.19 4.39,24.19 4.39,24.19 3.92,24.19 3.6,23.87 3.6,22.4 3.6,22.4 2.7,21.5 v1(2.65,21.5) ; 4.8,5.15 4.8,5.15 ; 4.8,5.15 4.61,5.15 4.61,5.14 4.39,5.14 4.39,5.14 3.92,5.14 3.6,4.82 3.6,3.35 3.6,3.35 2.7,2.45 v1(2.65,2.45) ; 4.8,5.15 4.9,5.15 5,5.25 6.3,5.25 6.46,5.41 12.37,5.41 12.65,5.69 12.65,5.73 12.65,5.73 12.65,5.75 12.65,5.75 12.65,6.51 12.88,6.73 12.88,8.99 12.6,9.27 12.6,10.46 12.06,10.99 SW1#5.1 ; v1(21.7,21.5) 21.75,21.5 22.65,22.4 22.65,22.4 22.65,23.87 22.97,24.19 23.44,24.19 23.44,24.19 23.66,24.19 23.66,24.2 23.85,24.2 ; 23.85,81.35 23.66,81.35 23.66,81.34 23.44,81.34 23.44,81.34 22.97,81.34 22.65,81.02 22.65,79.55 22.65,79.55 21.75,78.65 v1(21.7,78.65) ; 23.85,81.35 23.95,81.35 24.05,81.45 25.35,81.45 25.51,81.61 31.42,81.61 31.7,81.89 31.7,81.93 31.7,81.93 31.7,81.95 31.7,81.95 31.7,82.71 31.93,82.93 31.93,85.19 31.65,85.47 31.65,86.66 31.11,87.19 SW1#11.1 ; 23.85,81.35 23.85,81.35 ; SW1#16.1 50.16,68.14 50.7,67.61 50.7,66.42 50.98,66.14 50.98,63.88 50.75,63.66 50.75,62.9 50.75,62.9 50.75,62.88 50.75,62.88 50.75,62.84 50.47,62.56 44.56,62.56 44.4,62.4 43.1,62.4 43,62.3 42.9,62.3 ; 61.95,43.25 61.95,43.25 ; 61.95,43.25 61.76,43.25 61.76,43.24 61.54,43.24 61.54,43.24 61.07,43.24 60.75,42.92 60.75,41.45 60.75,41.45 59.85,40.55 v1(59.8,40.55) ; 61.95,43.25 62.05,43.25 62.15,43.35 63.45,43.35 63.61,43.51 69.52,43.51 69.8,43.79 69.8,43.83 69.8,43.83 69.8,43.85 69.8,43.85 69.8,44.61 70.03,44.83 70.03,47.09 69.75,47.37 69.75,48.56 69.22,49.09 SW1#7.1 ; SW1.1 12.06,87.19 12.6,86.66 12.6,85.47 12.88,85.19 12.88,82.93 12.65,82.71 12.65,81.95 12.65,81.95 12.65,81.93 12.65,81.93 12.65,81.89 12.37,81.61 6.46,81.61 6.3,81.45 5,81.45 4.9,81.35 4.8,81.35 ; 42.9,62.3 42.71,62.3 42.71,62.29 42.49,62.29 42.49,62.29 42.02,62.29 41.7,61.97 41.7,60.5 41.7,60.5 40.8,59.6 v1(40.75,59.6) ; 42.9,62.3 42.9,62.3 ; SW1#19.1 50.16,87.19 50.7,86.66 50.7,85.47 50.98,85.19 50.98,82.93 50.75,82.71 50.75,81.95 50.75,81.95 50.75,81.93 50.75,81.93 50.75,81.89 50.47,81.61 44.56,81.61 44.4,81.45 43.1,81.45 43,81.35 42.9,81.35 ; 23.85,43.25 23.85,43.25 ; 23.85,43.25 23.95,43.25 24.05,43.35 25.35,43.35 25.51,43.51 31.42,43.51 31.7,43.79 31.7,43.83 31.7,43.83 31.7,43.85 31.7,43.85 31.7,44.61 31.93,44.83 31.93,47.09 31.65,47.37 31.65,48.56 31.11,49.09 SW1#18.1 ; 23.85,43.25 23.66,43.25 23.66,43.24 23.44,43.24 23.44,43.24 22.97,43.24 22.65,42.92 22.65,41.45 22.65,41.45 21.75,40.55 v1(21.7,40.55) ; 23.85,62.3 23.85,62.3 ; 23.85,62.3 23.66,62.3 23.66,62.29 23.44,62.29 23.44,62.29 22.97,62.29 22.65,61.97 22.65,60.5 22.65,60.5 21.75,59.6 v1(21.7,59.6) ; 23.85,62.3 23.95,62.3 24.05,62.4 25.35,62.4 25.51,62.56 31.42,62.56 31.7,62.84 31.7,62.88 31.7,62.88 31.7,62.9 31.7,62.9 31.7,63.66 31.93,63.88 31.93,66.14 31.65,66.42 31.65,67.61 31.11,68.14 SW1#8.1 ; 23.85,5.15 23.66,5.15 23.66,5.14 23.44,5.14 23.44,5.14 22.97,5.14 22.65,4.82 22.65,3.35 22.65,3.35 21.75,2.45 v1(21.7,2.45) ; 23.85,5.15 23.85,5.15 ; 23.85,5.15 23.95,5.15 24.05,5.25 25.35,5.25 25.51,5.41 31.42,5.41 31.7,5.69 31.7,5.73 31.7,5.73 31.7,5.75 31.7,5.75 31.7,6.51 31.93,6.73 31.93,8.99 31.65,9.27 31.65,10.46 31.11,10.99 SW1#17.1 ; SW1#3.1 50.16,30.04 50.7,29.51 50.7,28.32 50.98,28.04 50.98,25.78 50.75,25.56 50.75,24.8 50.75,24.8 50.75,24.78 50.75,24.78 50.75,24.74 50.47,24.46 44.56,24.46 44.4,24.3 43.1,24.3 43,24.2 42.9,24.2 ; v1(40.75,21.5) 40.8,21.5 41.7,22.4 41.7,22.4 41.7,23.87 42.02,24.19 42.49,24.19 42.49,24.19 42.71,24.19 42.71,24.2 42.9,24.2 ; 42.9,24.2 42.9,24.2 ; 61.95,81.35 61.76,81.35 61.76,81.34 61.54,81.34 61.54,81.34 61.07,81.34 60.75,81.02 60.75,79.55 60.75,79.55 59.85,78.65 v1(59.8,78.65) ; 61.95,81.35 62.05,81.35 62.15,81.45 63.45,81.45 63.61,81.61 69.52,81.61 69.8,81.89 69.8,81.93 69.8,81.93 69.8,81.95 69.8,81.95 69.8,82.71 70.03,82.93 70.03,85.19 69.75,85.47 69.75,86.66 69.22,87.19 SW1#9.1 ; 61.95,81.35 61.95,81.35 ; v1(40.75,78.65) 40.8,78.65 41.7,79.55 41.7,79.55 41.7,81.02 42.02,81.34 42.49,81.34 42.49,81.34 42.71,81.34 42.71,81.35 42.9,81.35 ; 61.95,62.3 61.95,62.3 ; 61.95,62.3 62.05,62.3 62.15,62.4 63.45,62.4 63.61,62.56 69.52,62.56 69.8,62.84 69.8,62.88 69.8,62.88 69.8,62.9 69.8,62.9 69.8,63.66 70.03,63.88 70.03,66.14 69.75,66.42 69.75,67.61 69.22,68.14 SW1#13.1 ; 61.95,62.3 61.76,62.3 61.76,62.29 61.54,62.29 61.54,62.29 61.07,62.29 60.75,61.97 60.75,60.5 60.75,60.5 59.85,59.6 v1(59.8,59.6) ; v1(59.8,2.45) 59.85,2.45 60.75,3.35 60.75,3.35 60.75,4.82 61.07,5.14 61.54,5.14 61.54,5.14 61.76,5.14 61.76,5.15 61.95,5.15 ; 61.95,5.15 61.95,5.15 ; 61.95,5.15 62.05,5.15 62.15,5.25 63.45,5.25 63.61,5.41 69.52,5.41 69.8,5.69 69.8,5.73 69.8,5.73 69.8,5.75 69.8,5.75 69.8,6.51 70.03,6.73 70.03,8.99 69.75,9.27 69.75,10.46 69.22,10.99 SW1#14.1 ; 23.85,24.2 23.95,24.2 24.05,24.3 25.35,24.3 25.51,24.46 31.42,24.46 31.7,24.74 31.7,24.78 31.7,24.78 31.7,24.8 31.7,24.8 31.7,25.56 31.93,25.78 31.93,28.04 31.65,28.32 31.65,29.51 31.11,30.04 SW1#4.1 ; 23.85,24.2 23.85,24.2 ; SW1#12.1 12.06,49.09 12.6,48.56 12.6,47.37 12.88,47.09 12.88,44.83 12.65,44.61 12.65,43.85 12.65,43.85 12.65,43.83 12.65,43.83 12.65,43.79 12.37,43.51 6.46,43.51 6.3,43.35 5,43.35 4.9,43.25 4.8,43.25 ; 42.9,43.25 42.9,43.25 ; 42.9,43.25 43,43.25 43.1,43.35 44.4,43.35 44.56,43.51 50.47,43.51 50.75,43.79 50.75,43.83 50.75,43.83 50.75,43.85 50.75,43.85 50.75,44.61 50.98,44.83 50.98,47.09 50.7,47.37 50.7,48.56 50.16,49.09 SW1#15.1 ; 42.9,43.25 42.71,43.25 42.71,43.24 42.49,43.24 42.49,43.24 42.02,43.24 41.7,42.92 41.7,41.45 41.7,41.45 40.8,40.55 v1(40.75,40.55) ; 4.8,43.25 4.61,43.25 4.61,43.24 4.39,43.24 4.39,43.24 3.92,43.24 3.6,42.92 3.6,41.45 3.6,41.45 2.7,40.55 v1(2.65,40.55) ; 4.8,43.25 4.8,43.25 ; 61.95,24.2 62.05,24.2 62.15,24.3 63.45,24.3 63.61,24.46 69.52,24.46 69.8,24.74 69.8,24.78 69.8,24.78 69.8,24.8 69.8,24.8 69.8,25.56 70.03,25.78 70.03,28.04 69.75,28.32 69.75,29.51 69.22,30.04 SW1#10.1 ; 61.95,24.2 61.95,24.2 ; 4.8,81.35 4.61,81.35 4.61,81.34 4.39,81.34 4.39,81.34 3.92,81.34 3.6,81.02 3.6,79.55 3.6,79.55 2.7,78.65 v1(2.65,78.65) ; 4.8,81.35 4.8,81.35 ; 42.9,81.35 42.9,81.35 ; v1(40.75,2.45) 40.8,2.45 41.7,3.35 41.7,3.35 41.7,4.82 42.02,5.14 42.49,5.14 42.49,5.14 42.71,5.14 42.71,5.15 42.9,5.15 ; 4.8,62.3 4.61,62.3 4.61,62.29 4.39,62.29 4.39,62.29 3.92,62.29 3.6,61.97 3.6,60.5 3.6,60.5 2.7,59.6 v1(2.65,59.6) ; 4.8,62.3 4.8,62.3 ; 4.8,62.3 4.9,62.3 5,62.4 6.3,62.4 6.46,62.56 12.37,62.56 12.65,62.84 12.65,62.88 12.65,62.88 12.65,62.9 12.65,62.9 12.65,63.66 12.88,63.88 12.88,66.14 12.6,66.42 12.6,67.61 12.06,68.14 SW1#2.1 ; 42.9,5.15 43,5.15 43.1,5.25 44.4,5.25 44.56,5.41 50.47,5.41 50.75,5.69 50.75,5.73 50.75,5.73 50.75,5.75 50.75,5.75 50.75,6.51 50.98,6.73 50.98,8.99 50.7,9.27 50.7,10.46 50.16,10.99 SW1#20.1 ; 42.9,5.15 42.9,5.15